# Altium PCB EinsyRetro.PcbDoc (part 2 of 5) (continued)
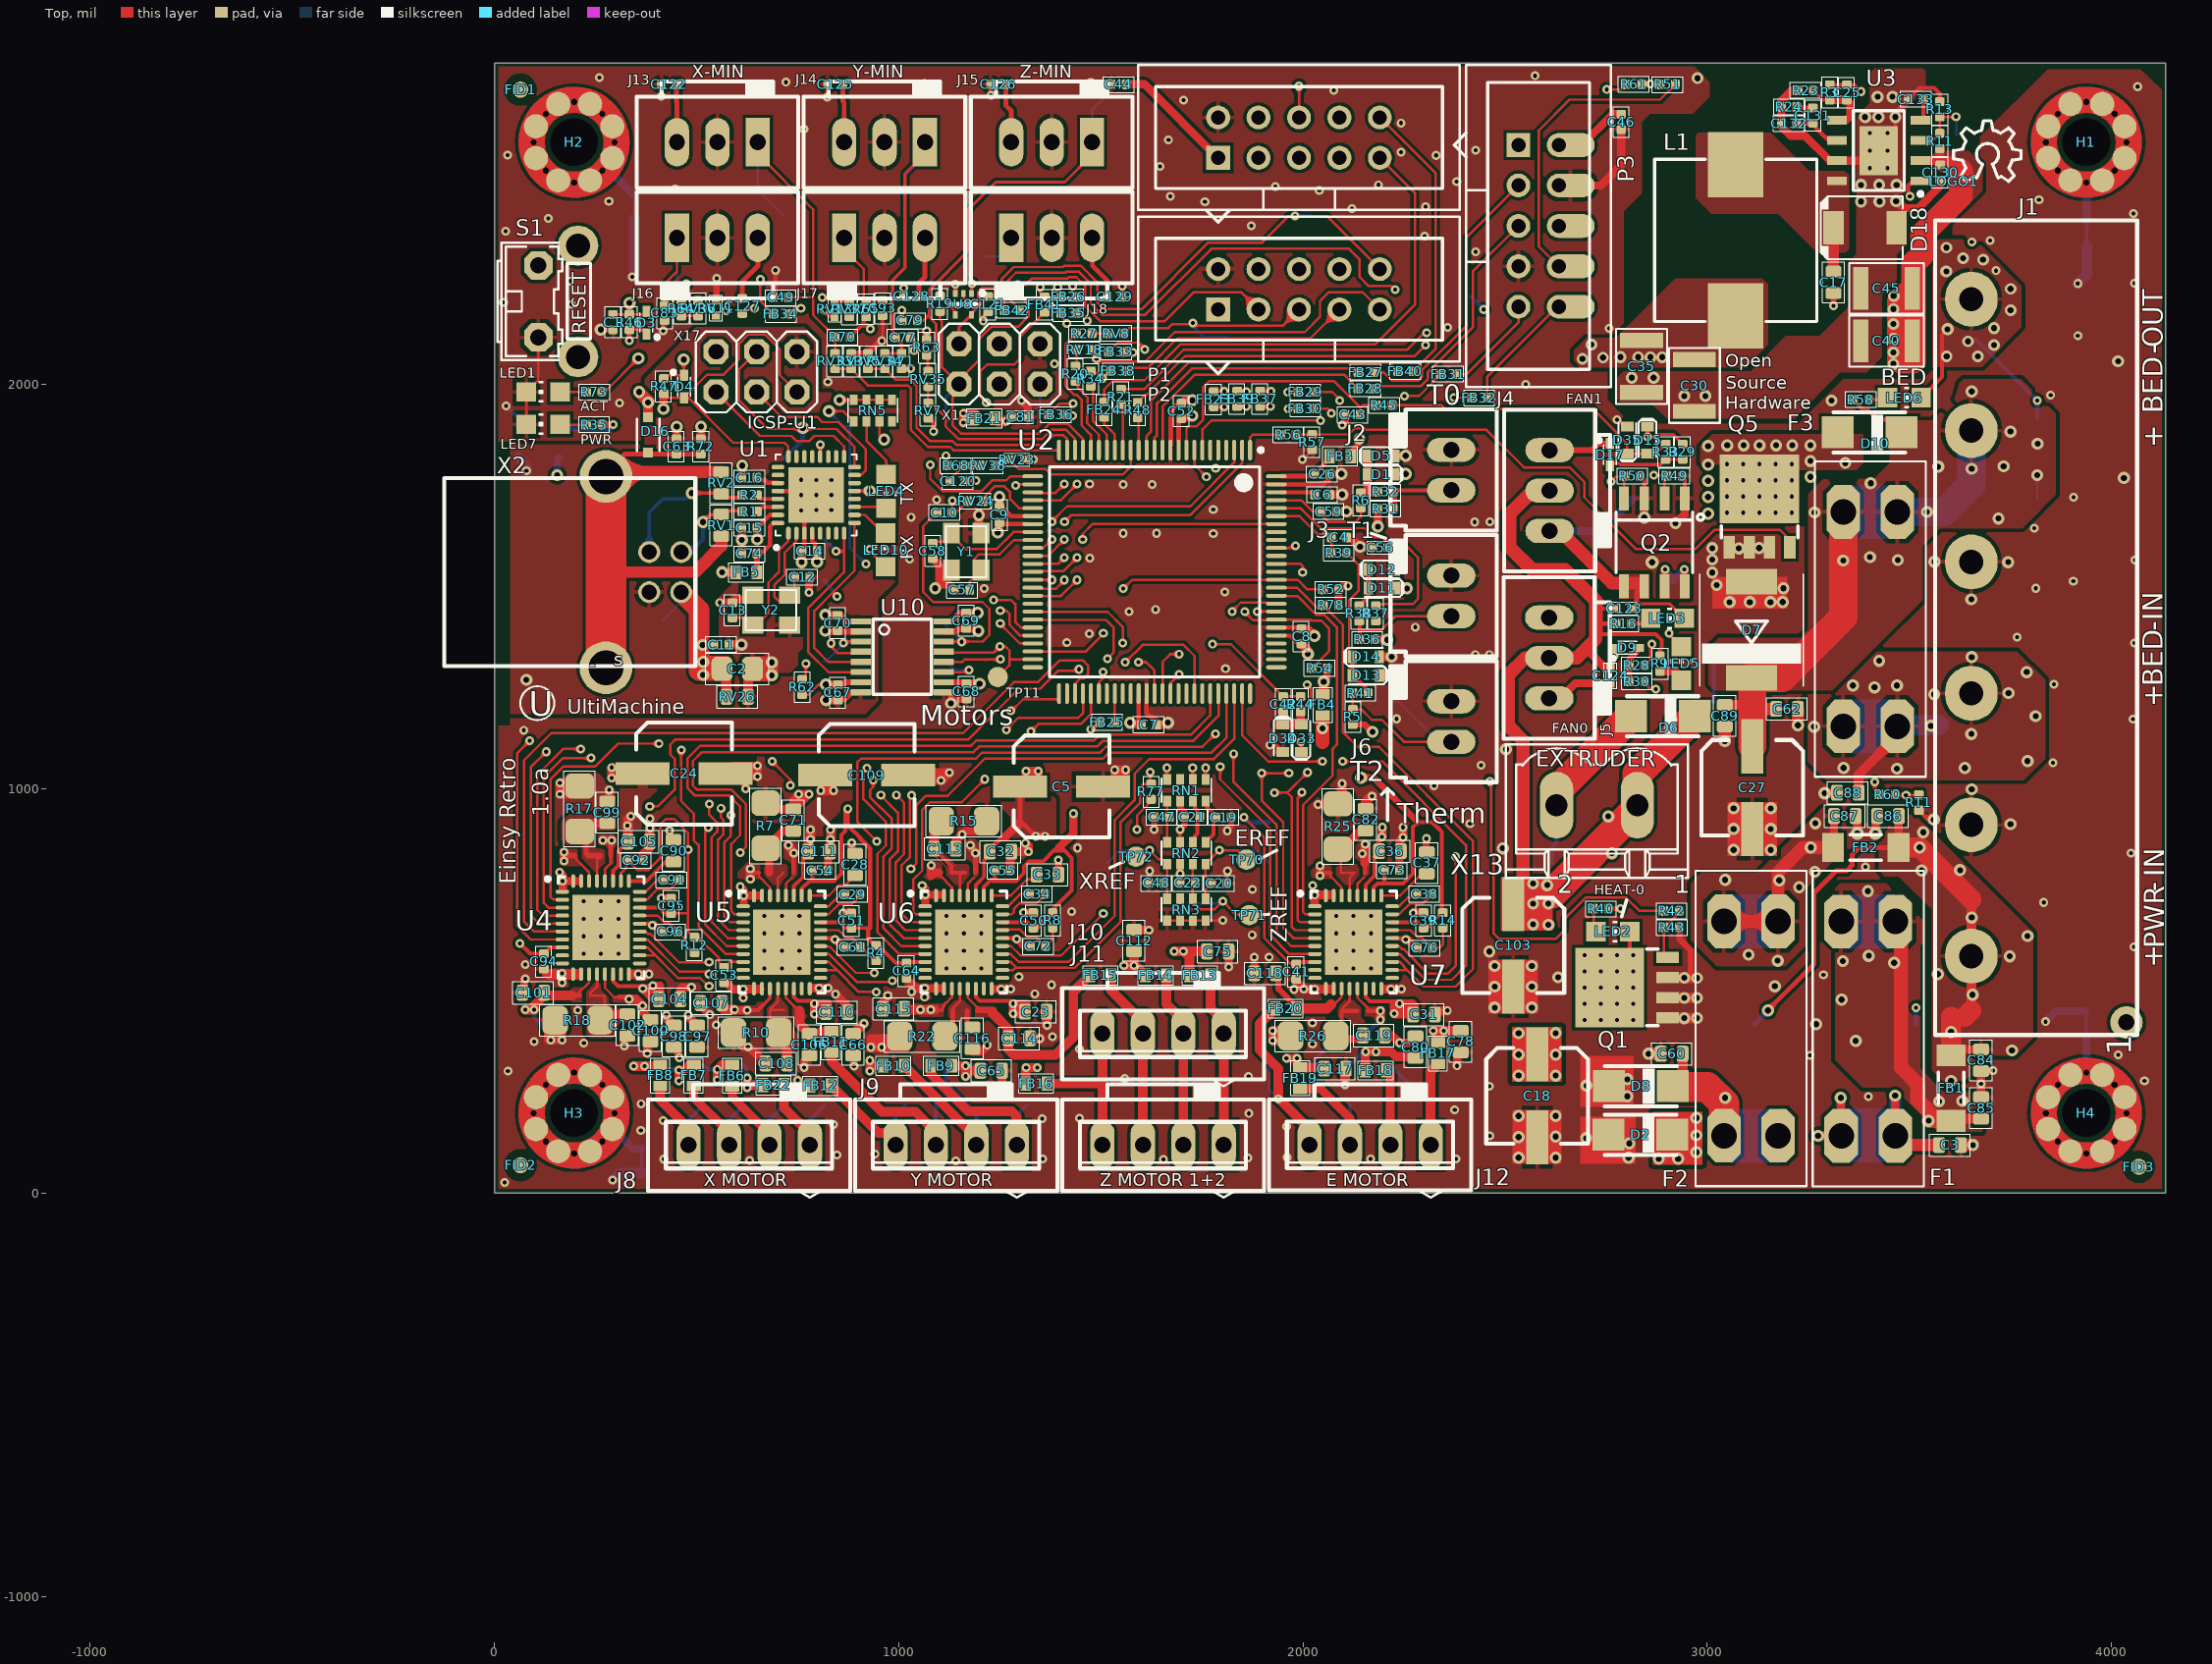
[diagram p0: Top view]
## Nets (pads, with @x,y where several pads share a name; then routed paths per layer and width w, separated by ;. In a path a pad name is that pad's centre, name@x,y a point inside that pad or via, vN(x,y) a via of type N, cw(c..) or ccw(c..) an arc to the next point about the centre after c; other vN are vias at no path point) (continued)
FAN-0: R21.1 U2.17 | length 112.9
  Top w6: U2.17@1554.05,1837.18 R21.1@1554.05,1950.1
FAN-1: R48.1 U2.15 | length 80.9
  Top w6: R48.1@1591,1917.1 1593.42,1914.68 U2.15@1593.42,1837.18
FGND: "Net Tie1.1" "Net Tie2.1" "Net Tie3.1" "Net Tie4.1" D16.C H1.1 H2.1 H3.1 H4.1 pad.0 S1.3 S1.4 | length 11825.4
  Top w24: D16.C@380.17,1918.56 v4(380.17,1955) 380.17,1958.83 v4@380.17,1958.91
  Top w30: v4(358,1981) v4@380.17,1958.83
  Supply w20: 34,561 25,570 25,1129 34,1138
  Supply w40: 34,561 34,360.2 119.32,274.88 H3.1@127.1,267.1 ; 34,1138 34,1894.24 S1.4@206.73,2066.98
  Supply w60: 119.32,274.88 ccw(c197.1,197.1) 307.1,197.1 ; 119.32,274.88 cw(c197.1,197.1) 307.1,197.1 ; 119.32,274.88 cw(c197.1,197.1) 307.1,197.1 ; 119.32,274.88 cw(c197.1,197.1) 307.1,197.1 ; 119.32,274.88 cw(c197.1,197.1) 307.1,197.1 ; 119.32,274.88 cw(c197.1,197.1) 307.1,197.1 ; 119.32,274.88 cw(c197.1,197.1) 307.1,197.1 ; 119.32,274.88 cw(c197.1,197.1) 307.1,197.1 ; 119.32,274.88 cw(c197.1,197.1) 307.1,197.1
  Signal Layer 2 w20: 4097.35,910 4098.35,911
  Signal Layer 2 w40: H2.1@197.1,2498.68 193.17,2494.74 193.17,2424.46 206.73,2410.9 S1.3@206.73,2342.98 193.73,2355.98 80.05,2355.98 46.73,2322.66 46.73,2265.29 134.05,2177.98 137.42,2177.98 206.73,2108.66 S1.4@206.73,2066.98 272.11,2066.98 v4@380.17,1958.91 ; H3.1@267.1,127.1 366.95,27.25 3767.41,27.25 H4.1@3867.26,127.1 ; H4.1@4007.26,267.1 4098.35,358.2 4098.35,413.64 ; 4014.42,2527.46 4014.42,2521.52 4098.35,2437.58 4098.35,911 4098.35,413.64 ; pad.0@4036.67,421.51 4090.48,421.51 4098.35,413.64
  Bottom w20: 279.54,2533.65 343.93,2469.25 346.25,2469.25 ; 294.4,157.63 343.77,108.25 364.25,108.25 ; H4.1@3937.26,297.1 3937.26,302.1 3937.26,387 ; 3937.26,2493.68 3938.25,2492.68 3938.25,2403.25
GND: "Net Tie1.2" "Net Tie2.2" "Net Tie3.2" "Net Tie4.2" C1.2 C3.2 C4.2 C5.2 C6.2 C7.2 C8.2 C9.2 C18.2 C19.2 C20.2 C21.2 C22.2 C23.1 C24.2 C26.2 C27.2 C30.1 C31.1 C32.1 C35.1 C36.1 C39.1 C40.1 C41.1 C42.2 C43.2 C44.2 C45.1 C46.1 C47.2 C48.2 C49.2 C50.1 C51.1 C52.2 C53.1 C54.1 C55.1 C56.2 C57.2 C58.2 C59.2 C60.2 C61.2 C62.2 C64.1 C65.2 C66.2 C68.1 C69.2 C71.1 C72.2 C73.1 C75.2 C76.2 C77.2 C78.2 C79.2 C80.2 C81.2 C82.1 C83.2 C84.2 C85.2 C86.2 C87.2 C88.2 C89.2 C92.1 C93.2 C94.1 C95.1 C96.2 C97.2 C98.2 C99.1 C100.2 C101.2 C102.1 C103.2 C104.1 C105.1 C106.2 C107.2 C108.1 C109.2 C110.1 C111.1 C112.2 C113.1 C114.2 C115.2 C116.1 C117.2 C118.2 C119.1 C120.2 C121.1 C122.2 C125.2 C126.2 C127.2 C128.2 C129.2 C130.1 C132.1 C133.1 D2.A D5.A D7.A D8.A D12.A D14.A D18.A D34.A D35.A J1.2 J1.4 J2.1 J3.1 J6.1 J13.2 J14.2 J15.2 J16.2 J17.2 J18.2 JP4.2 LED1.C LED7.C P1.2 P2.2 P3.4 P3.7 Q1.1 Q1.2 Q1.3 Q2.1 Q2.3 Q5.1 Q5.2 Q5.3 R7.2 R10.2 R13.1 R15.2 R17.2 R18.2 R22.2 R23.1 R24.1 R25.2 R26.2 R43.1 R49.2 R50.2 R57.1 RN1.6 RN2.3 RN2.6 RN3.5 RN3.6 RN3.7 RN3.8 RT1.1 RV3.1 RV5.1 RV7.1 RV11.1 RV13.1 RV23.1 S1.2 TP67.TP TP69.TP U2.11 U2.32 U2.62 U2.81 U2.99 U3.7 U3.9 U4.1 U4.11 U4.12 U4.18 U4.24 U4.35 U4.36 U4.37 U5.1 U5.11 U5.12 U5.18 U5.24 U5.35 U5.36 U5.37 U6.1 U6.11 U6.12 U6.18 U6.24 U6.35 U6.36 U6.37 U7.1 U7.11 U7.12 U7.18 U7.24 U7.35 U7.36 U7.37 U8.3 U10.9 U10.15 X1.6 Y1.2 Y1.4 | length 10363.3
  Top w6: LED7.C@79,1901 LED1.C@79,1981 108.73,2010.73 S1.2@108.73,2115.98 ; v3(263,2135) C1.2@293,2135 ; v1@411.15,723.15 413,725 v1(413,729) ; v1@802.48,504.9 803,505.42 v1(803,506) ; Y1.4@1130.15,1535.29 Y1.4@1130.15,1549.07 ; C57.2@1133.98,1495.14 C57.2@1137.92,1491.2 ; Y1.2@1203.56,1622.49 Y1.2@1203.56,1631.99 ; v1@1252.48,504.9 v1(1253.38,504) ; C72.2@1322,618 1324,616 1324,610 C72.2@1324,602 ; v2@1620.19,797.94 1620.87,797.25 C48.2@1620.87,766.44 ; RN3.5@1663.72,673.5 RN3.6@1695.72,673.5 RN3.7@1727.47,673.5 RN3.8@1758.97,673.5 1759.39,673.92 1792.87,673.92 1802,664.79 v2(1802,674) ; v3@1667.83,1157.8 v3@1668.81,1158.78 ; RN2.3@1695.72,866.83 1695.72,898.08 v2(1695.98,898.33) v2@1695.68,898.63 ; v3@1727.76,1960.6 v3@1728.6,1961.44 ; C20.2@1811.43,765.46 1811.43,794.3 v2(1813.1,795.97) ; v2@1811.43,896.28 v2(1812.25,895.47) ; U2.99@1947.79,1752.54 U2.99@1948.48,1751.84 ; v1@2216.48,504.9 v1(2217.38,504) ; C76.2@2278.09,602 C76.2@2288,602 ; 2773.94,323.75 2774.71,324.52
  Top w8: v1@954.41,2107.28 v1(958.28,2107.28) 960,2105.57 C93.2@960,2169.3 ; v2(1008,2183) 1008,2187.55 1009.15,2188.7 C79.2@1009.15,2158 ; v1(1998,1814) 1998.91,1814 R57.1@2022.98,1838.07
  Top w9.5: U4.12@214,532 167,532 132,532 122,542 C94.1@122,553.3 C94.1@126.3,549 ; U4.12@214,549 C94.1@126.3,549 ; U4.12@214.41,540.9 U4.11@194.72,540.9 167,540.9 134.4,540.9 C94.1@126.3,549 ; U4.18@332.52,540.9 332.62,541 v1(356,541) ; U4.18@333,533 v1@353,533 ; U4.18@333,548 v1@355,548 ; U4.24@359.09,665.9 v1@391,665.9 ; U5.24@806.47,629.9 v1@844.48,629.9 ; U6.24@1256.47,629.9 1286.19,629.9 v1@1290,626.09 ; U7.24@2220.47,629.9 2250.19,629.9 v1(2254,626.09)
  Top w10: v2(417,2132) 417,2152 C83.2@418,2153 ; C49.2@689.3,2215 695,2220.7 v2@695,2280 ; v1@817,2182 832,2167 RV13.1@841.54,2167 ; C77.2@1035,2111.15 1038,2108.15 v2(1038,2084) ; RV7.1@1073,1916.46 1086,1903.46 v1(1086,1883) ; v1(1209,2157) 1209,2166.39 1208.62,2166.77 C121.1@1221,2179.15 ; v1(1918,1107) 1933.54,1107 D34.A@1950,1090.54 ; U2.81@1933.97,1398.2 1999.06,1398.2 C8.2@2002,1395.27 ; U2.99@1947.79,1752.54 2050.54,1752.54 ; v2(2776.25,1912.56) 2779.44,1912.56 2794,1898 2796.73,1900.73 D35.A@2802,1895.46 ; R50.2@2834,1773 2844,1763 Q2.3@2844,1717.42 ; R49.2@2938,1773 2944,1767 Q2.1@2944,1717.42 ; 3044,1472 v3(3055,1461) ; U3.9@3424,2578 3465,2619 3465,2672.85 C133.1@3497.15,2705 3510.85,2718.7 3510.85,2719.81 3524.04,2733 3561,2733 3575,2719 R13.1@3575,2698.9 ; RT1.1@3523.25,946.35 3546.61,923 v3(3560,923)
  Top w11: v2(413,2713) C122.2@413,2742 ; C127.2@613,2175 626,2188 v1(643,2188) ; v2(823,2710) 824,2711 C125.2@824,2742 ; C128.2@1012,2218 v1(1012,2238) ; U8.3@1140.18,2224.57 v2(1140.18,2247.82) ; C126.2@1227,2742 1227,2716 v2(1228,2715) ; C129.2@1553,2216 v1(1553,2243)
  Top w11.5: C9.2@1249,1654.11 U2.32@1317.83,1654.11 ; U2.62@1613.1,1221 1613.1,1185.9 1621,1178 1625,1178 1645.2,1157.8 1650,1157.8
  Top w12: v1(413,729) v1@413.3,728.7 ; U2.11@1672.79,1850.96 1672.79,1933.79 1692,1953 C52.2@1699,1953 ; 2050.54,1752.54 2066.5,1768.5 C26.2@2066.5,1775.84
  Top w15: RV11.1@549,2216.63 v2@549,2255.02 ; RV3.1@882.48,2075.84 RV5.1@923.48,2075.84 938.05,2090.41 938.05,2090.93 v1@954.41,2107.28 ; U10.15@1111.13,1388.54 1140.54,1388.54 1146,1394 C69.2@1165,1394 ; v3(1129.31,1210.69) U10.9@1129.31,1238.31 ; C120.2@1162.05,1762.35 1162.41,1762 v1(1191,1762) ; v2(1631.25,898.25) 1631.87,898.87 C47.2@1631.87,929.83 ; C22.2@1695.68,766.44 1695.68,813.21 RN2.6@1695.72,813.26 ; v2@1695.68,898.63 1706.68,909.63 C21.2@1706.68,929.83 1706.68,941.82 1695.72,952.77 RN1.6@1695.72,968.77 ; v2@1811.43,896.28 1822.43,907.28 C19.2@1822.43,928.84 ; Q2.3@2844,1717.42 Q2.3@2845.25,1718.67 ; R43.1@2931.3,656.5 2931.3,627.76 2958.66,600.39 2958.66,532
  Top w20: C101.2@69.23,495 74,499.77 74,527 v1(76,529) ; v1(161,793) 169,785 v1(169,771) ; v1@167,518 167,532 v1@167,540.9 ; 169,750 v1(169,771) ; 209,771 v1(169,771) ; v1(321,363) 321,380.23 C102.1@329,388.23 ; v1(356,541) v1(382,541) ; v1@378,344 378,366.23 C100.2@386,374.23 ; v1(391.09,662.09) 395.91,662.09 411,647 C96.2@415,647 ; v1@413.3,728.7 C95.1@437,728.7 ; C98.2@443.5,360.46 455.25,348.71 v1@455.25,334.25 ; C104.1@459.77,479 459.77,503.77 464.25,508.25 v1(487.25,508.25) ; C107.2@509.48,461.02 C107.2@509.48,464.02 ; C107.2@509.48,469.25 C107.2@509.48,464.02 ; v1(533.25,440.25) C107.2@509.48,464.02 ; C53.1@568,519.3 574.2,519.3 590.25,503.25 614.25,503.25 v1(615,504) ; R10.2@581,394 614.83,360.17 615.66,361 v1(627,361) 629.23,361 C108.1@670.23,320 ; v1(608.38,757) 616.38,749 v1(616.38,735) ; 616.38,714 v1(616.38,735) ; v1(621,999) C24.2@621,1030 ; C24.2@621,1044 C24.2@621,1043 ; 656.38,735 v1(616.38,735) ; R7.2@671,964 686.23,948.77 C71.1@739,948.77 ; v2(766.25,310.25) 766.25,326.48 C106.2@779.25,339.48 ; C54.1@825.7,797 825.7,839.93 C111.1@829.77,844 831,845.23 v1(831,874) v1(831,898) ; v1(843.25,491.25) 873.77,460.73 C110.1@873.77,447 ; v1@843.91,626.09 860,610 C61.2@864,610 ; v1(862,691.5) 863,692.5 C51.1@880.15,692.5 ; C66.2@887.25,339.48 888.25,338.48 v2@888.25,313.25 ; C64.1@1019,530.3 1043.3,506 v1(1064,506) ; v1(1058,760) 1066,752 v1(1066,737) ; v2@1063.25,2742.75 v2(1063.25,2744.25) ; v1@1064,483 v1(1064,506) ; 1066,714 v1(1066,737) ; C58.2@1084,1569 1099.93,1553.07 v3@1099.93,1505.07 ; U6.12@1107,506 v1(1064,506) ; U6.35@1107,737 v1(1066,737) ; Y1.4@1130.15,1535.29 v3@1099.93,1505.07 ; v3@1134.65,1221.65 C68.1@1167.57,1221.65 ; C57.2@1137.92,1491.2 1124.05,1505.07 v3@1099.93,1505.07 ; C113.1@1140.77,851 1140.77,869.77 v1(1157,886) 1165.25,894.25 R15.2@1234.25,894.25 ; C69.2@1166.59,1396.61 1190.39,1396.61 v3(1197,1390) ; C116.1@1182,349.23 1205.17,349.23 1219,363.06 v1(1219,365) ; v3(1198,1676) 1198,1637.55 Y1.2@1203.56,1631.99 ; 1235,504 v1(1253.38,504) v1(1277,504) ; v3@1245,1632 1249,1636 1249,1654.11 C9.2@1249,1658 ; v1@1255.77,266.23 C65.2@1255.77,302 ; v1@1294.91,626.09 1311,610 C72.2@1324,610 ; v1(1304,1960) 1304,1959 1319.7,1943.3 C81.2@1319.7,1919 ; v1@1309,692.5 C50.1@1330.15,692.5 ; v3@1476,2742 C44.2@1525,2742 ; C112.2@1582,650.77 1582.77,650 v1(1619,650) ; 1650,1157.8 v3@1667.83,1157.8 ; C52.2@1699,1953 1706.6,1960.6 v3@1727.75,1960.6 ; C75.2@1815.77,597 1816,596.77 v1(1816,559) ; C118.2@1879.23,543 v2(1879.23,582.77) ; C8.2@2002,1395.27 2011.36,1395.27 2023.25,1383.38 v3@2023.25,1381.25 ; C6.2@2066.5,1726.63 2066.87,1727 v3(2097,1727) ; C26.2@2066.5,1775.84 2068.65,1778 v3(2095,1778) ; C59.2@2082.24,1685.29 v3@2110.49,1685.29 ; v1(2097,1899) 2104,1906 C43.2@2104,1925 ; C4.2@2108,1621 2118,1621 v3(2141,1598) ; D14.A@2188.46,1326 v3(2219,1326) ; C119.1@2201.77,389 2220,389 v1@2239,370 ; D5.A@2226.46,1823 v3(2254,1823) ; C73.1@2238.7,796 2238.7,870.7 v1(2247,879) v1(2247,904) ; v1(2239,371) 2260.36,371 2261.18,370.18 C80.2@2278,387 ; v1(2254,626.09) 2258.91,626.09 2279,606 C76.2@2282,606 ; v1(2273,692.5) 2297.8,692.5 C39.1@2298,692.7 ; v1(2381,314) 2381,338.23 C78.2@2390,347.23 ; P3.4@2632.68,2491.71 2736.71,2491.71 2787,2542 C46.1@2787,2630.3 ; v3(2844,1670) Q2.3@2844,1717.42 ; v3(2921,1656) 2944,1679 Q2.1@2944,1717.42 ; C132.1@3182.99,2636.99 3204.97,2615 3236.73,2615 3238.86,2617.14 3303,2553 U3.9@3427,2553 ; C132.1@3183.15,2645 R24.1@3183.1,2686 R24.1@3183.1,2686 3183.1,2701.36 3208.74,2727 R23.1@3224.1,2727 ; v3@3192.25,1495.25 v3@3193.25,1496.25 ; v3@3223.77,1156.23 v3(3224,1156.46) ; v6(3290.5,988.5) 3319.73,988.5 C88.2@3320.73,989.5 ; C87.2@3366.77,932 3371,927.77 v6(3371,889) ; U3.9@3411,2569 U3.9@3426.9,2584.9 ; v6(3416,889) 3416,927.77 C86.2@3420.23,932 ; v4(3467,2453) 3484,2436 3521.85,2436 3576,2490.15 C130.1@3576,2505.15 ; C85.2@3677,236.77 v1(3677,270) C84.2@3677,301.23 3707.77,301.23 v1(3707,302) ; v1@149.5,378 R18.2@149.5,426.5 ; v1@149.5,378 132,378 132,409 R18.2@149.5,426.5 ; v1@149.5,378 v1(167,378) 167,410 R18.2@150,427 R18.2@149.5,426.5 ; C24.2@577.36,1043 C24.2@621,1043 ; C24.2@577.36,1043 590.36,1056 v1(651,1056) 651,1043 ; C24.2@577.36,1043 C24.2@571.36,1037 578.36,1030 C24.2@621,1030 ; C24.2@621,1030 C24.2@621,1043 ; C24.2@621,1030 v1(651,1030) 651,1043 ; C24.2@621,1043 651,1043 ; C71.1@739,948.77 740.77,948.77 v1(778,986) v1(753,986) 739,972 C71.1@739,948.77
  Top w22: R17.2@216,1001 R17.2@211,1006 ; R17.2@219,1014 R17.2@211,1006 ; C99.1@279,967.77 C99.1@287,975.77 ; C99.1@284.25,976.02 v1(284.25,996.25) ; C92.1@367.7,822 367.7,837.36 383.77,853.43 C105.1@383.77,869 384,869.23 384,902 v1(384.25,925.25) ; v1(615,482) v1(615,504) 656,504 ; 786,506 v1(803,506) v1(825,506) ; C110.1@873.77,447 C110.1@874,446.77 ; C115.2@960.23,455 960.23,470.23 973,483 v1(973,488) ; R22.2@1004,387 998,381 931,381 v1(931,360) v1(958,360) R22.2@1019,360 ; C55.1@1275.7,797 1275.7,840.93 C32.1@1278.77,844 v1(1321,844) 1321,857 v1(1313,865) v1@1313,851 ; C5.2@1534,991 v1(1534,1046) 1547.5,1046 ; C5.2@1561,990 C5.2@1561,1015 ; C41.1@1983,528.3 1983,523 v1(2002,504) v1(2028,504) 2069,504 ; v1(2028.47,736.53) v1@2029,736.53 ; 2029,715 v1@2029,736.53 ; 2069.47,736.53 v1@2029,736.53 ; 2200,504 v1(2217.38,504) v1(2244,504) ; C31.1@2325.77,441 2335.77,451 v1(2357,451) ; 162,1001 R17.2@206,1001 ; 162,1001 v1(162,986) 191,986 R17.2@206,1001 ; 162,1001 v1(162,1014) 203,1014 R17.2@211,1006 ; R17.2@206,1001 R17.2@211,1006 ; 1547.5,1046 1547.5,1028.5 C5.2@1561,1015 ; 1547.5,1046 v1(1561,1046) C5.2@1561,1015 ; 1925,389 1944,389 R26.2@1957,376 ; 1925,389 v1(1925,401) 1956,401 R26.2@1969,388 R26.2@1957,376 ; 1925,389 v1(1925,376) R26.2@1957,376 ; C109.2@1023.36,1032 1030.36,1039 v1(1125,1039) 1106,1020 v1(1105,1020) 1035.36,1020 C109.2@1023.36,1032
  Top w24: v1(2037,960) 2084,960 R25.2@2086.25,962.25 2088,964 2093,964 2097,968 v1(2097,1012) ; C82.1@2155,949.77 2155,967.82 2168.18,981 v1(2171,981)
  Top w25: C114.2@1324.77,382 1349,382 v1(1349,381) ; C23.1@1365.77,448 1365.77,415.23 v1(1367,414) ; v1(2104,267) 2104,305.23 C117.2@2105.77,307 ; v3(2141,1598) 2166,1598 C56.2@2167,1599
  Top w27: Q1.1@2895.2,432.68 2942.32,432.68 v4(2943,432) 2974,432 v5(2974.25,432.25) ; Q1.2@2895.2,482.68 2942.32,482.68 v4(2943,482) 2943.25,482.25 v5(2974.25,482.25) ; Q1.3@2895.88,532 Q1.3@2902.88,532 ; Q1.3@2902.2,532.68 Q1.3@2902.88,532 ; 2958.66,532 v4(2943,532) Q1.3@2902.88,532
  Top w30: v3(2855,344) C60.2@2885.23,344 ; v3(3043,1117) C89.2@3043,1153.23 ; v3@3223.77,1156.23 C62.2@3223.77,1197 ; C3.2@3626.77,118 v3(3657,118)
  Signal Layer 2 w6: v1(1066,737) v1@1066,743 ; v1@2029,744 v1@2030,743
  Signal Layer 2 w20: v3(3269,417) v3@3270,416
  Bottom w10: v2(29.25,1946.25) 58.25,1917.25 JP4.2@58.25,1892.67
  Bottom w20: v2(3836.25,423.25) 3862.25,449.25 3934.25,449.25
  Bottom w27: v2(292.25,31.25) 309.25,48.25 364.25,48.25 ; v2(341.25,2265.25) 346.25,2270.25 346.25,2409.25 ; v2(3916.25,2249.25) 3938.25,2271.25 3938.25,2343.25
  other v1: 1257,265 457.25,334.25 378,345 139,378 548.25,415.25 1064,484 167.25,519.35 167.25,542.35 842,627 1292,628 1874,638 1309,693.5 1428,696 1875,750 2024,760 1442,853 384.25,902.25 2413,913 1471,1383 1635,1443 1806.25,1486.25 1211.25,1494.25 1472.25,1570.25 1094,1714 1627,1752.08 1472,1753 1784,1792 2757,2138 816,2183
  other v2: 25.25,25.25 1141.25,79.25 631.25,80.25 1654.25,82.25 419.25,83.25 1356.25,84.25 2167.25,84.25 2378.25,84.25 1863.25,86.25 1960.25,87.25 847.25,93.25 941.25,96.25 2462.25,141.25 362.25,154.25 1959.25,164.25 838.25,169.25 417.25,178.25 1355.25,183.25 1447.25,184.25 1866.25,196.25 2375.25,205.25 363.25,220.25 3398.25,238.25 2460.25,263.25 4081.25,277.25 1559.25,282.25 1865.25,287.25 33.25,301.25 889.25,313.25 3254.25,340.25 4016.25,341.25 1447.25,355.25 2023.25,368.25 221.25,370.25 98.25,374.25 1380.25,386.25 2023.25,420.25 206.25,451.25 1336.25,492.25 1032.25,497.25 1977.25,503.25 1378.25,514.25 1297.25,534.25 3287.25,539.25 667.69,555.09 711,555.09 754.31,555.09 1117.69,555.09 1161,555.09 1204.31,555.09 2081.69,555.09 2125,555.09 2168.31,555.09 76.25,564.25 1916.25,583.25 220.32,591.09 263.62,591.09 306.93,591.09 667.69,598.4 711,598.4 754.31,598.4 1117.69,598.4 1161,598.4 1204.31,598.4 2081.69,598.4 2125,598.4 2168.31,598.4 4055.25,608.25 220.32,634.4 263.62,634.4 306.93,634.4 667.69,641.71 711,641.71 754.31,641.71 1117.69,641.71 1161,641.71 1204.31,641.71 2081.69,641.71 2125,641.71 2168.31,641.71 220.32,677.71 263.62,677.71 306.93,677.71 667.69,685.02 711,685.02 754.31,685.02 1117.69,685.02 1161,685.02 1204.31,685.02 2081.69,685.02 2125,685.02 2168.31,685.02 3832.25,718.25 220.32,721.02 263.62,721.02 306.93,721.02 1695.98,789.08 1621.17,795.97 3391.25,806.25 4048.25,840.25 2324.25,1007.25 2440.25,1057.25 3855.25,1063.25 72.25,1144.25 4053.25,1171.25 2231.25,1172.25 3857.25,1258.25 1808.25,1296.25 2426.25,1331.25 2461.25,1331.25 4056.25,1360.25 1416,1361 3766.25,1374.25 2277.25,1399.25 1570,1438 3812.25,1495.25 3905.25,1513.25 4057.25,1565.25 1027.25,1567.25 1555.25,1631.25 1637.25,1631.25 1778,1631 3808.25,1644.25 2424.25,1659.25 2462.25,1660.25 1030.25,1671.25 1778,1690 3906.25,1720.25 1555.25,1752.33 1332.51,1813.65 309.25,1953.25 3849.25,1973.25 2551,2000 824.8,2005.91 3916.25,2120.25 2358,2141 190.25,2197.25 22.25,2202.25 4056.25,2250.25 187.25,2255.25 550,2262 695,2282 2427.25,2327.25 3654,2352 3699.25,2355.25 2300.25,2366.25 27.25,2378.25 1872.25,2392.25 133.25,2410.25 4054.25,2422.25 2121.25,2434.25 2303,2439 1757.25,2451.25 283.25,2452.25 3820.25,2456.25 1672,2465 2040.25,2479.25 447.25,2483.25 1932,2489 2186.25,2493.25 2380.25,2501.25 3402.35,2534.69 3445.65,2534.69 1646.25,2539.25 2329.25,2566.25 32.25,2567.25 2242.25,2574.25 3402.35,2578 3445.65,2578 2427.25,2579.25 1667.32,2604.33 3402.35,2621.31 3445.65,2621.31 765.25,2631.25 2242.25,2646.25 1704.72,2702.76 2076,2727 4064.25,2736.25 721.25,2747.25 259.25,2758.25 2574,2763
  other v3: 2533,87 2625,87 2533,138 2625,139 2533,190 2625,190 2474,458 2566,458 2474,510 2566,510 3167,511 2631,533 2474,561 2566,561 2461,597 3065,848 3157,848 2494,852 3065,900 3157,900 3750,912 3065,951 3157,951 3654,998 2502,1097 1666,1163 2028.25,1377.25 3105,1461 3156,1461 3186.25,1461.25 3653,1468 1089.99,1495.14 3188.25,1495.25 3023.25,1503.25 3744,1560 3562,1561 1245,1633 2107.25,1685.25 4030.25,1768.25 1726.25,1960.25 4016,2057 1475,2743
  other v4: 2805,87 2807,122 2700.09,135.15 2802.25,238.74 2701,265 2802.25,280.74 3012,1534 3012.02,1566.17 3078,1594 3012.02,1594.54 3128,1595 2943,1971 2995,1971 2813,2016 2867,2016 3380,2452 3426,2452 3380,2493 3425,2493 3468,2493 3390,2661 3423,2661 3465,2661 3421,2711 3458,2711
  other v5: 2974.25,531.25 3307,1960 2976,2757
  other v6: 2863.28,1559.7
GND1: C2.1 C11.2 C12.2 C13.2 C14.2 C15.2 C16.2 C63.2 C67.1 C70.2 C74.2 JP4.1 R72.1 RV26.1 TP47.TP U1.3 U1.28 U1.33 U10.2 U10.8 X2.4 X17.6 Y2.2 Y2.4 | length 1071.2
  Top w6: U1.33@766,1696 v2(796,1726) U1.33@786,1736 ; v3@819.15,1390.02 v3@819.83,1390.7
  Top w11: U1.28@701,1736 U1.33@786,1736 ; C14.2@766,1594.44 U1.33@766,1696
  Top w15: C67.1@848,1222 867,1222 883.04,1238.04 U10.8@905.76,1238.04 ; C70.2@849.36,1387.06 850.84,1388.54 U10.2@905.76,1388.54
  Top w20: C63.2@450.53,1865 451,1865.47 v4(451,1895) ; R72.1@510.53,1864.91 511,1865.38 v4(511,1895) ; v1(557,1460) C13.2@589,1460 597,1468 Y2.4@650,1468 ; C11.2@580,1356 v3(611,1356) ; C74.2@612,1581 v4(612,1615) C15.2@612,1645 ; C16.2@612,1769 613,1770 v3(613,1799) ; v3(760,1560) 760,1587.13 C14.2@760.65,1587.79 ; v1(778,1485) 778,1521 C12.2@780,1523 ; v3@819.15,1390.02 847.99,1390.02 C70.2@848.68,1390.7 ; v3(820.13,1218.76) C67.1@849.66,1218.76
  Top w25: RV26.1@627.27,1227 627.27,1296 C2.1@638.4,1296
  Top w30: C2.1@638.4,1280 v3(686,1280) 686,1296 ; C2.1@638.4,1296 686,1296 ; C2.1@638.4,1312 v3(686,1312) 686,1296
  Bottom w25: JP4.1@58.25,1819.83 79.25,1798.83 v1(79.25,1786.25)
  other v2: 758.6,1687.61 796,1688.6 833.4,1688.6 758.8,1726 833.4,1726 796,1763.4 833.4,1763.4 758.31,1763.76
  other v3: 818.25,1390.25
  other v4: 79,1269
HEAT-0: R42.1 U2.7 | length 2633.7
  Top w6: U2.7@1751.79,1850.96 1751.79,1888.79 1773,1910 v1(2043,1910) ; v2(2462,1018) 2465,1015 2465,837 2471,831 2471,642 2485,628 2625,628 2647,650 2647,678 2699,730 2799,730 2832,697 R42.1@2893.1,697
  Signal Layer 2 w6: v1(2043,1910) 2029,1910 1870,1751 1870,1537 1885,1522 1935,1522 1987,1470 1987,1203.5 2012.25,1178.25 2062.25,1178.25 2087.5,1153 2121,1153 2244,1030 2450,1030 v2(2462,1018)
MISO: R19.1 TP34.TP U2.22 U4.5 U5.5 U6.5 U7.5 X1.1 | length 7688.4
  Top w6: v1(128,1091) 90,1053 90,686 110.1,665.9 U4.5@168.15,665.9 ; v1(531.25,961.25) 531.25,935.25 551.25,915.25 551.25,893.25 537.12,879.12 537.12,669.88 577.1,629.9 U5.5@615.53,629.9 ; v1(956,984) 955,983 998,940 998,845 977.5,824.5 977.5,664.5 1012.1,629.9 U6.5@1065.53,629.9 ; R19.1@1102,2180.1 1102,2160.51 1107,2155.51 1107,2042 X1.1@1149,2000 ; U2.22@1455.62,1850.96 1455.62,1864.98 1418.83,1901.77 1372.17,1901.77 1348.4,1878 1153.89,1878 1133,1898.89 1133,1967.1 1167,2001.1 1167,2028 1197,2058 1197,2110.06 1228.94,2142 1294.89,2142 1321,2168.11 1321,2198 1295,2224 1281.89,2224 1272,2233.89 1272,2241.43 1269,2244.43 1269,2255.11 1289.89,2276 1412.09,2276 1415.09,2279 1444.91,2279 1475,2248.91 1475,2199 1502,2172 1610,2172 1773.25,2335.25 2113.25,2335.25 2140.25,2308.25 2140.25,2265 2162.25,2243 2219,2243 v1(2228,2234) ; v1(1965,1038) v1(1898,1038) 1898,970 1951,917 1951,655 1976.1,629.9 U7.5@2029.53,629.9
  Signal Layer 2 w6: v1(128,1091) 163,1126 360.5,1126 525.25,961.25 v1(531.25,961.25) 547,977 630.23,977 719.23,1066 857,1066 939,984 v1(956,984) 956,986 991.5,1021.5 1054.5,1021.5 1078,998 1858,998 v1(1898,1038) ; v1(1965,1038) 1965,1060.5 1956,1069.5 1956,1454.5 1919.5,1491 1872,1491 1840,1523 1840,1760 2209,2129 2209,2140 2234,2165 2234,2228 v1(2228,2234)
  Bottom w6: TP34.TP@1123,1909 TP34.TP@1116,1916 1116,1967 X1.1@1149,2000
MISO2: TP43.TP U1.17 X17.1 | length 502.5
  Top w6: X17.1@548.53,1980.56 656.76,1872.32 734.68,1872.32 748,1859 777.68,1859 791,1872.32 838.81,1872.32 864.9,1846.24 U1.17@864.9,1821
  Bottom w6: X17.1@548.53,1980.56 613.09,1916 TP43.TP@616,1916
MOSI: P2.5 RV8.2 TP36.TP U4.4 U5.4 U6.4 U7.4 X1.4 | length 6758.8
  Top w6: U4.4@168.15,685.58 120.42,685.58 106,700 106,1034 170,1098 v1(213,1098) ; v1@560.25,950.25 560.25,928.25 566.25,922.25 566.25,886.25 553.12,873.12 553.12,675.88 579.42,649.58 U5.4@615.53,649.58 ; v1(994,984) 1013,965 1013,838 992.5,817.5 992.5,673.5 1016.42,649.58 U6.4@1065.53,649.58 ; RV8.2@1556,2125 RV8.2@1557,2126 1570,2139 1667,2139 1677,2149 1725,2149 v1(1727.25,2151.25) ; v1@1731.53,2144.47 1949.47,2144.47 P2.5@1990,2185 ; v1(1929,990) 1961,990 ; v1(2011,1040) 1961,990 ; U7.4@2029.53,649.58 1980.42,649.58 1971.8,658.2 1971.8,979.2 1961,990
  Signal Layer 1 w6: X1.4@1249,2100 1297,2148 1382,2148 1409,2121 1697,2121 v1(1727.25,2151.25)
  Signal Layer 2 w6: v1(213,1098) 214,1099 362.75,1099 522.5,939.25 549.25,939.25 571,961 635,961 723,1049 851,1049 938,962 972,962 v1(994,984) 994,985 1015.5,1006.5 1045.5,1006.5 1070,982 1904,982 1912,990 v1(1929,990) ; P2.5@1990,2185 1990,2221 1940,2271 1940,2306 1961,2327 2212,2327 2250.25,2288.75 2250.25,2157.25 2224,2131 2224,2125.62 1855,1756.62 1855,1530 1878,1507 1925.5,1507 1972,1460.5 1972,1079 v1(2011,1040)
  Bottom w6: v1@1727.25,2143.75 1755,2116 TP36.TP@1816,2116
  other v1: 560.25,951.25
MOSI2: TP42.TP U1.16 X17.4 | length 616.5
  Top w6: X17.4@648.53,2080.56 605.53,2037.56 605.53,1960.09 676.29,1889.32 846.42,1889.32 890.49,1845.25 U1.16@890.49,1795
  Bottom w10: TP42.TP@716,1816 763,1863 v4(763,1892)
NetC16_1: C16.1 U1.27 | length 56.7
  Top w11: C16.1@649.7,1769 655.7,1763 669,1763 676,1756 U1.27@701,1756
NetC17_1: C17.1 U3.1 | length 443.5
  Top w10: v2(3501,2465) 3497,2469 3497,2491 3509,2503 U3.1@3527.35,2503
  Top w15: v1(3312,2194) C17.1@3312,2225.23
  Signal Layer 1 w10: v1(3312,2194) 3312,2259.82 3501,2448.82 v2(3501,2465)
NetC17_2: C17.2 D18.K L1.1 U3.8 | length 108.2
  Top w28: C17.2@3312,2278.77 D18.K@3312,2387
NetC19_1: C19.1 RN1.8 RN2.1 | length 118.4
  Top w10: RN2.1@1758.97,866.83 1778.25,886.12 1778.25,938.25 1763.25,953.25 ; RN1.8@1758.97,968.77 1763.25,964.49 1763.25,953.25 ; 1763.25,952.77 1763.25,953.25
NetC20_1: C20.1 RN2.8 RN3.1 TP14.TP TP70.TP U7.23 | length 1504.3
  Top w6: RN3.1@1758.97,727.07 1758.97,750.69 C20.1@1773.73,765.46 1773.73,767.42 1758.97,782.19 RN2.8@1758.97,813.26 1759.53,813.26 v2(1793.42,847.15) 1836.85,847.15 TP70.TP@1860,824 ; U7.23@2220.47,610.21 2237.35,610.21 2244.47,603.09 2248.29,603.09 2309.38,542 2358,542 2378,562 2378,833 v1(2377,832)
  Signal Layer 2 w6: v2(1793.42,847.15) 1817.04,847.15 1848.14,878.25 2094.25,878.25 2159,943 2283,943 2377,849 v1(2377,832)
  Bottom w6: v2(1793.42,847.15) 1884.85,847.15 TP14.TP@1916,816
NetC21_1: C21.1 RN1.7 RN2.2 | length 110.9
  Top w10: RN2.2@1727.47,866.83 1732.25,871.61 1732.25,882.25 1738.25,888.25 1738.25,946.25 1732.25,952.25 1732.25,963.99 RN1.7@1727.47,968.77
NetC25_1: C25.1 R3.2 R23.2 U3.5 | length 173.8
  Top w8: R23.2@3262,2727 3286,2703 R3.2@3303,2703
  Top w20: R3.2@3303,2703 3303.15,2703.15 C25.1@3345,2703.15 3354,2694.15 3354,2664 3343,2653 U3.5@3320.65,2653
NetC26_1: C26.1 FB3.2 U2.100 | length 149.4
  Top w10: C26.1@2028.3,1779.3 FB3.2@2071,1822
  Top w12: U2.100@1947.79,1772.22 2025.17,1772.22 C26.1@2028.8,1775.84 ; C26.1@2028.3,1778 C26.1@2028.3,1779.3 ; FB3.2@2065.82,1822 FB3.2@2071,1822
NetC28_1: C28.1 U5.29 | length 132.8
  Top w6: U5.29@779.9,735.21 827.21,735.21 853.25,761.25 868.02,761.25 C28.1@892,785.23
NetC29_1: C29.1 U5.28 | length 72.4
  Top w6: U5.28@806.47,708.64 U5.28@806.67,708.64 826.81,708.64 856.17,738 C29.1@866.68,738
NetC29_2: C29.2 U5.27 | length 124
  Top w6: U5.27@806.47,688.95 U5.27@806.67,688.95 826.95,688.95 852.25,714.25 883.25,714.25 C29.2@909.25,740.25
NetC33_1: C33.1 U6.29 | length 132.8
  Top w6: U6.29@1229.9,735.21 1277.21,735.21 1317.25,775.25 1329.48,775.25 C33.1@1341.23,787
NetC34_1: C34.1 U6.28 | length 79.4
  Top w6: U6.28@1256.47,708.64 1271.22,708.64 1301.58,739 C34.1@1323.3,739
NetC34_2: C34.2 U6.27 | length 131.1
  Top w6: U6.27@1256.47,688.95 1279.33,688.95 1285.38,695 1285.38,703 1297.88,715.5 1339.5,715.5 1361,737 C34.2@1361,739
NetC37_1: C37.1 U7.29 | length 118.8
  Top w6: U7.29@2193.9,735.21 2240.21,735.21 2289.23,784.23 C37.1@2292.38,784.23
NetC38_1: C38.1 U7.28 | length 76.5
  Top w6: U7.28@2220.67,708.64 2237.64,708.64 2259.25,730.25 C38.1@2288.25,730.25
NetC38_2: C38.2 U7.27 | length 132.7
  Top w6: U7.27@2206.87,689.25 2238.25,689.25 2264.5,715.5 2295.5,715.5 C38.2@2319,739
NetC47_1: C47.1 RN1.5 RN2.4 | length 106.2
  Top w6: RN2.4@1663.72,866.83 1663.72,924.68 1658.57,929.83 1663.72,934.98 RN1.5@1663.72,968.77
NetC49_1: C49.1 J13.1 R70.2 RV33.2 TP38.TP | length 872.5
  Top w6: J13.1@651.43,2598.68 651.43,2569.04 788.39,2432.09 788.39,2215 ; C49.1@727,2215 788.39,2215 ; RV33.2@842.48,2076.14 842.48,2116.87 R70.2@842.22,2117.13 788.39,2170.96 788.39,2215
  Bottom w6: J13.1@651.43,2598.68 651.43,2480.57 TP38.TP@716,2416
NetC61_1: C61.1 R4.1 U5.25 | length 158.7
  Top w6: U5.25@806.48,649.59 851.41,649.59 869.75,631.25 883.85,631.25 R4.1@936,579.1
NetC65_1: C65.1 FB9.1 TP2.TP U5.32 | length 1254.8
  Top w6: U5.32@720.84,735.21 721.38,735.75 721.38,765 735.17,778.8
  Top w12: v1@737.38,842 739.8,839.58 739.8,792
  Top w24: v1(727,860) 739.67,839.79 v1@739.8,839.58 ; FB9.1@1131.43,314.25 1131.69,314 v1(1165,314) 1165,301.25 ; v1(1165.25,288.25) 1165,288.5 1165,301.25 ; C65.1@1202.23,302 1165.75,302 1165,301.25
  Signal Layer 2 w24: v1(727,860) 740.16,840.11 v1@740.23,840 ; v1(740,840) v1@740.23,840 ; v1(1165.25,288.25) v1@1166.25,289.25 ; v1@740.23,840 832,840 925,747 925,665 908,648 908,478 959,427 1025,427 1087,365 1167,365 1186.25,345.75 1186.25,313.25 ; v1@1166.25,289.25 1165,290.5 v1(1165,314) 1185.5,314 1186.25,313.25 ; v1@1166.25,289.25 1186.25,289.25 1186.25,313.25
  Bottom w10: v1(1165,314) 1214,314 TP2.TP@1216,316